# Altium PCB 宠物机器人&导购机器人.PcbDoc (part 2 of 14) (continued)
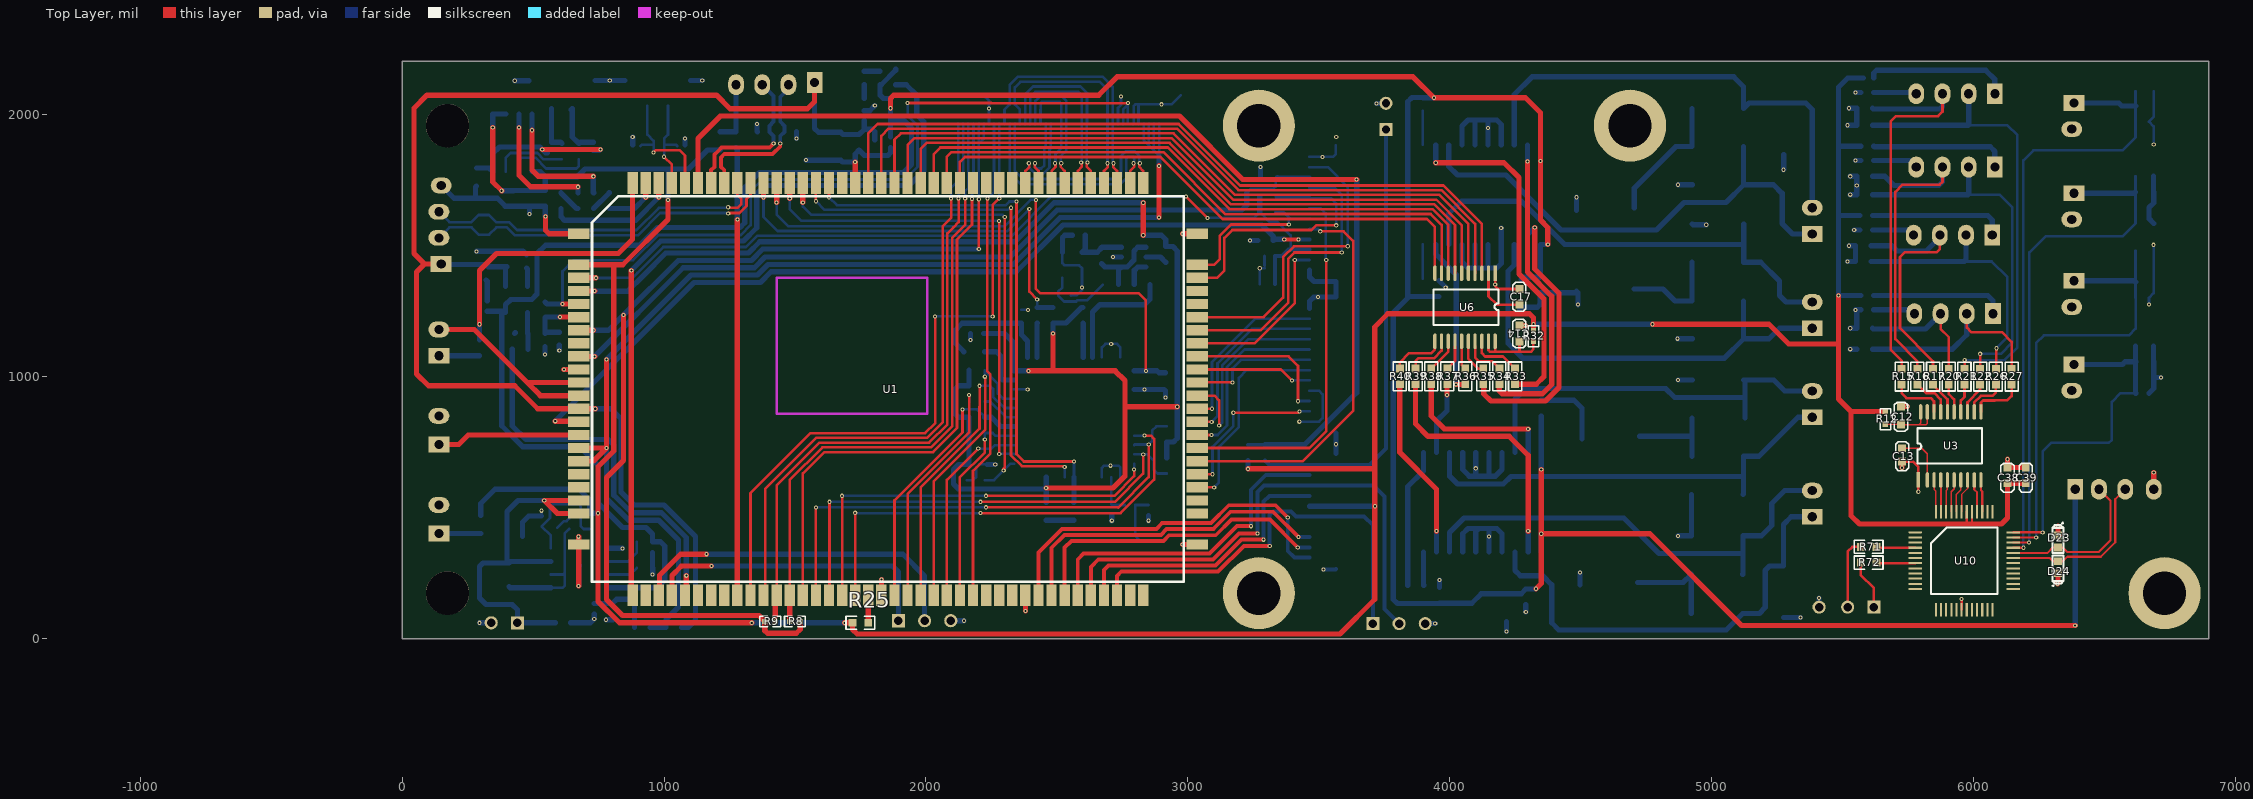
[diagram p0: Top Layer view]
## Free pads (board coordinates) (continued)
1(-1217.75,-384.07) 1(-1217.75,-384.07) 1(-1217.75,-384.07) 1(-1217.74,-383.97) 1(-1217.74,-383.97) 1(-1217.74,-383.97) 1(-1217.74,-383.97) 1(-1217.74,-383.97) 1(-1217.74,-383.97) 1(-1217.74,-383.93) 1(-1217.74,-383.93) 1(-1217.74,-383.93) 1(-1217.74,-383.9) 1(-1217.74,-383.9) 1(-1217.74,-383.9) 1(-1217.74,-383.86) 1(-1217.74,-383.86) 1(-1217.74,-383.86) 1(-1217.74,-383.86) 1(-1217.74,-383.86) 1(-1217.74,-383.86) 1(-1217.73,-383.32) 1(-1217.73,-383.32) 1(-1217.73,-383.32) 1(-1217.73,-383.32) 1(-1217.73,-383.32) 1(-1217.73,-383.32) 1(-1217.73,-383.28) 1(-1217.73,-383.28) 1(-1217.73,-383.28) 1(-1217.73,-383.25) 1(-1217.73,-383.25) 1(-1217.73,-383.25) 1(-1217.73,-383.21) 1(-1217.73,-383.21) 1(-1217.73,-383.21) 1(-1217.73,-383.21) 1(-1217.73,-383.21) 1(-1217.73,-383.21) 1(-1217.73,-384.12) 1(-1217.73,-384.12) 1(-1217.73,-384.12) 1(-1217.72,-383.97) 1(-1217.72,-383.97) 1(-1217.72,-383.97) 1(-1217.72,-383.97) 1(-1217.72,-383.97) 1(-1217.72,-383.97) 1(-1217.72,-383.93) 1(-1217.72,-383.93) 1(-1217.72,-383.93) 1(-1217.72,-383.9) 1(-1217.72,-383.9) 1(-1217.72,-383.9) 1(-1217.72,-383.86) 1(-1217.72,-383.86) 1(-1217.72,-383.86) 1(-1217.72,-383.86) 1(-1217.72,-383.86) 1(-1217.72,-383.86) 1(-1217.71,-384.65) 1(-1217.71,-384.65) 1(-1217.71,-384.65) 1(-1217.71,-384.65) 1(-1217.71,-384.65) 1(-1217.71,-384.65) 1(-1217.71,-384.61) 1(-1217.71,-384.61) 1(-1217.71,-384.61) 1(-1217.71,-384.58) 1(-1217.71,-384.58) 1(-1217.71,-384.58) 1(-1217.71,-384.54) 1(-1217.71,-384.54) 1(-1217.71,-384.54) 1(-1217.71,-384.54) 1(-1217.71,-384.54) 1(-1217.71,-384.54) 1(-1217.71,-384.53) 1(-1217.71,-384.53) 1(-1217.71,-384.53) 1(-1217.71,-384.53) 1(-1217.71,-384.53) 1(-1217.71,-384.53) 1(-1217.71,-384.49) 1(-1217.71,-384.49) 1(-1217.71,-384.49) 1(-1217.71,-384.46) 1(-1217.71,-384.46) 1(-1217.71,-384.46) 1(-1217.71,-384.42) 1(-1217.71,-384.42) 1(-1217.71,-384.42) 1(-1217.71,-384.42) 1(-1217.71,-384.42) 1(-1217.71,-384.42) 1(-1217.71,-384.41) 1(-1217.71,-384.41) 1(-1217.71,-384.41) 1(-1217.71,-384.41) 1(-1217.71,-384.41) 1(-1217.71,-384.41) 1(-1217.71,-384.37) 1(-1217.71,-384.37) 1(-1217.71,-384.37) 1(-1217.71,-384.34) 1(-1217.71,-384.34) 1(-1217.71,-384.34) 1(-1217.71,-384.3) 1(-1217.71,-384.3) 1(-1217.71,-384.3) 1(-1217.71,-384.3) 1(-1217.71,-384.3) 1(-1217.71,-384.3) 1(-1217.71,-384.29) 1(-1217.71,-384.29) 1(-1217.71,-384.29) 1(-1217.71,-384.29) 1(-1217.71,-384.29) 1(-1217.71,-384.29) 1(-1217.71,-384.25) 1(-1217.71,-384.25) 1(-1217.71,-384.25) 1(-1217.71,-384.22) 1(-1217.71,-384.22) 1(-1217.71,-384.22) 1(-1217.71,-384.18) 1(-1217.71,-384.18) 1(-1217.71,-384.18) 1(-1217.71,-384.18) 1(-1217.71,-384.18) 1(-1217.71,-384.18) 1(-1217.71,-384.82) 1(-1217.71,-384.82) 1(-1217.71,-384.82) 1(-1217.71,-384.82) 1(-1217.71,-384.82) 1(-1217.71,-384.82) 1(-1217.71,-384.78) 1(-1217.71,-384.78) 1(-1217.71,-384.78) 1(-1217.71,-384.75) 1(-1217.71,-384.75) 1(-1217.71,-384.75) 1(-1217.71,-384.71) 1(-1217.71,-384.71) 1(-1217.71,-384.71) 1(-1217.71,-384.71) 1(-1217.71,-384.71) 1(-1217.71,-384.71) 1(-1217.71,-384.65) 1(-1217.71,-384.65) 1(-1217.71,-384.65) 1(-1217.71,-384.65) 1(-1217.71,-384.65) 1(-1217.71,-384.65) 1(-1217.71,-384.61) 1(-1217.71,-384.61) 1(-1217.71,-384.61) 1(-1217.71,-384.58) 1(-1217.71,-384.58) 1(-1217.71,-384.58) 1(-1217.71,-384.54) 1(-1217.71,-384.54) 1(-1217.71,-384.54) 1(-1217.71,-384.54) 1(-1217.71,-384.54) 1(-1217.71,-384.54) 1(-1217.71,-384.53) 1(-1217.71,-384.53) 1(-1217.71,-384.53) 1(-1217.71,-384.53) 1(-1217.71,-384.53) 1(-1217.71,-384.53) 1(-1217.71,-384.49) 1(-1217.71,-384.49) 1(-1217.71,-384.49) 1(-1217.71,-384.46) 1(-1217.71,-384.46) 1(-1217.71,-384.46) 1(-1217.71,-384.42) 1(-1217.71,-384.42) 1(-1217.71,-384.42) 1(-1217.71,-384.42) 1(-1217.71,-384.42) 1(-1217.71,-384.42) 1(-1217.71,-384.41) 1(-1217.71,-384.41) 1(-1217.71,-384.41) 1(-1217.71,-384.41) 1(-1217.71,-384.41) 1(-1217.71,-384.41) 1(-1217.71,-384.37) 1(-1217.71,-384.37) 1(-1217.71,-384.37) 1(-1217.71,-384.34) 1(-1217.71,-384.34) 1(-1217.71,-384.34) 1(-1217.71,-384.3) 1(-1217.71,-384.3) 1(-1217.71,-384.3) 1(-1217.71,-384.3) 1(-1217.71,-384.3) 1(-1217.71,-384.3) 1(-1217.71,-384.29) 1(-1217.71,-384.29) 1(-1217.71,-384.29) 1(-1217.71,-384.29) 1(-1217.71,-384.29) 1(-1217.71,-384.29) 1(-1217.71,-384.25) 1(-1217.71,-384.25) 1(-1217.71,-384.25) 1(-1217.71,-384.22) 1(-1217.71,-384.22) 1(-1217.71,-384.22) 1(-1217.71,-384.18) 1(-1217.71,-384.18) 1(-1217.71,-384.18) 1(-1217.71,-384.18) 1(-1217.71,-384.18) 1(-1217.71,-384.18) 1(-1217.7,-384.82) 1(-1217.7,-384.82) 1(-1217.7,-384.82) 1(-1217.7,-384.82) 1(-1217.7,-384.82) 1(-1217.7,-384.82) 1(-1217.7,-384.78) 1(-1217.7,-384.78) 1(-1217.7,-384.78) 1(-1217.7,-384.75) 1(-1217.7,-384.75) 1(-1217.7,-384.75) 1(-1217.7,-384.71) 1(-1217.7,-384.71) 1(-1217.7,-384.71) 1(-1217.7,-384.71) 1(-1217.7,-384.71) 1(-1217.7,-384.71) 1(-1217.69,-384.03) 1(-1217.69,-384.03) 1(-1217.69,-384.03) 1(-1217.69,-384.03) 1(-1217.69,-384.03) 1(-1217.69,-384.03) 1(-1217.68,-383.32) 1(-1217.68,-383.32) 1(-1217.68,-383.32) 1(-1217.68,-383.32) 1(-1217.68,-383.32) 1(-1217.68,-383.32) 1(-1217.68,-383.28) 1(-1217.68,-383.28) 1(-1217.68,-383.28) 1(-1217.68,-383.25) 1(-1217.68,-383.25) 1(-1217.68,-383.25) 1(-1217.68,-383.21) 1(-1217.68,-383.21) 1(-1217.68,-383.21) 1(-1217.68,-383.21) 1(-1217.68,-383.21) 1(-1217.68,-383.21) 1(-1217.67,-383.97) 1(-1217.67,-383.97) 1(-1217.67,-383.97) 1(-1217.67,-383.97) 1(-1217.67,-383.97) 1(-1217.67,-383.97) 1(-1217.67,-383.93) 1(-1217.67,-383.93) 1(-1217.67,-383.93) 1(-1217.67,-383.9) 1(-1217.67,-383.9) 1(-1217.67,-383.9) 1(-1217.67,-383.86) 1(-1217.67,-383.86) 1(-1217.67,-383.86) 1(-1217.67,-383.86) 1(-1217.67,-383.86) 1(-1217.67,-383.86) 1(-1217.66,-384.65) 1(-1217.66,-384.65) 1(-1217.66,-384.65) 1(-1217.66,-384.65) 1(-1217.66,-384.65) 1(-1217.66,-384.65) 1(-1217.66,-384.61) 1(-1217.66,-384.61) 1(-1217.66,-384.61) 1(-1217.66,-384.58) 1(-1217.66,-384.58) 1(-1217.66,-384.58) 1(-1217.66,-384.54) 1(-1217.66,-384.54) 1(-1217.66,-384.54) 1(-1217.66,-384.54) 1(-1217.66,-384.54) 1(-1217.66,-384.54) 1(-1217.66,-384.53) 1(-1217.66,-384.53) 1(-1217.66,-384.53) 1(-1217.66,-384.53) 1(-1217.66,-384.53) 1(-1217.66,-384.53) 1(-1217.66,-384.49) 1(-1217.66,-384.49) 1(-1217.66,-384.49) 1(-1217.66,-384.46) 1(-1217.66,-384.46) 1(-1217.66,-384.46) 1(-1217.66,-384.42) 1(-1217.66,-384.42) 1(-1217.66,-384.42) 1(-1217.66,-384.42) 1(-1217.66,-384.42) 1(-1217.66,-384.42) 1(-1217.66,-384.41) 1(-1217.66,-384.41) 1(-1217.66,-384.41) 1(-1217.66,-384.41) 1(-1217.66,-384.41) 1(-1217.66,-384.41) 1(-1217.66,-384.37) 1(-1217.66,-384.37) 1(-1217.66,-384.37) 1(-1217.66,-384.34) 1(-1217.66,-384.34) 1(-1217.66,-384.34) 1(-1217.66,-384.3) 1(-1217.66,-384.3) 1(-1217.66,-384.3) 1(-1217.66,-384.3) 1(-1217.66,-384.3) 1(-1217.66,-384.3) 1(-1217.66,-384.29) 1(-1217.66,-384.29) 1(-1217.66,-384.29) 1(-1217.66,-384.29) 1(-1217.66,-384.29) 1(-1217.66,-384.29) 1(-1217.66,-384.25) 1(-1217.66,-384.25) 1(-1217.66,-384.25) 1(-1217.66,-384.22) 1(-1217.66,-384.22) 1(-1217.66,-384.22) 1(-1217.66,-384.18) 1(-1217.66,-384.18) 1(-1217.66,-384.18) 1(-1217.66,-384.18) 1(-1217.66,-384.18) 1(-1217.66,-384.18) 1(-1217.65,-384.65) 1(-1217.65,-384.65) 1(-1217.65,-384.65) 1(-1217.65,-384.65) 1(-1217.65,-384.65) 1(-1217.65,-384.65) 1(-1217.65,-384.61) 1(-1217.65,-384.61) 1(-1217.65,-384.61) 1(-1217.65,-384.58) 1(-1217.65,-384.58) 1(-1217.65,-384.58) 1(-1217.65,-384.54) 1(-1217.65,-384.54) 1(-1217.65,-384.54) 1(-1217.65,-384.54) 1(-1217.65,-384.54) 1(-1217.65,-384.54) 1(-1217.65,-384.82) 1(-1217.65,-384.82) 1(-1217.65,-384.82) 1(-1217.65,-384.82) 1(-1217.65,-384.82) 1(-1217.65,-384.82) 1(-1217.65,-384.78) 1(-1217.65,-384.78) 1(-1217.65,-384.78) 1(-1217.65,-384.75) 1(-1217.65,-384.75) 1(-1217.65,-384.75) 1(-1217.65,-384.71) 1(-1217.65,-384.71) 1(-1217.65,-384.71) 1(-1217.65,-384.71) 1(-1217.65,-384.71) 1(-1217.65,-384.71) 1(-1217.65,-384.12) 1(-1217.65,-384.12) 1(-1217.65,-384.12) 1(-1217.63,-383.56) 1(-1217.63,-383.56) 1(-1217.63,-383.56) 1(-1217.63,-383.56) 1(-1217.63,-383.56) 1(-1217.63,-383.56) 1(-1217.63,-383.54) 1(-1217.63,-383.54) 1(-1217.63,-383.54) 1(-1217.63,-383.54) 1(-1217.63,-383.54) 1(-1217.63,-383.54) 1(-1217.63,-384.12) 1(-1217.63,-384.12) 1(-1217.63,-384.12) 1(-1217.63,-384.12) 1(-1217.63,-384.12) 1(-1217.63,-384.12) 1(-1217.63,-384.07) 1(-1217.63,-384.07) 1(-1217.63,-384.07) 1(-1217.63,-383.57) 1(-1217.63,-383.57) 1(-1217.63,-383.57) 1(-1217.62,-383.57) 1(-1217.62,-383.57) 1(-1217.62,-383.57) 1(-1217.62,-383.57) 1(-1217.62,-383.57) 1(-1217.62,-383.57) 1(-1217.62,-383.53) 1(-1217.62,-383.53) 1(-1217.62,-383.53) 1(-1217.62,-383.53) 1(-1217.62,-383.53) 1(-1217.62,-383.53) 1(-1217.62,-383.53) 1(-1217.62,-383.53) 1(-1217.62,-383.53) 1(-1217.62,-384.08) 1(-1217.62,-384.08) 1(-1217.62,-384.08) 1(-1217.62,-384.03) 1(-1217.62,-384.03) 1(-1217.62,-384.03) 1(-1217.62,-384.03) 1(-1217.62,-384.03) 1(-1217.62,-384.03) 1(-1217.6,-384.65) 1(-1217.6,-384.65) 1(-1217.6,-384.65) 1(-1217.6,-384.65) 1(-1217.6,-384.65) 1(-1217.6,-384.65) 1(-1217.6,-384.61) 1(-1217.6,-384.61) 1(-1217.6,-384.61) 1(-1217.6,-384.58) 1(-1217.6,-384.58) 1(-1217.6,-384.58) 1(-1217.6,-384.54) 1(-1217.6,-384.54) 1(-1217.6,-384.54) 1(-1217.6,-384.54) 1(-1217.6,-384.54) 1(-1217.6,-384.54) 1(-1217.6,-384.03) 1(-1217.6,-384.03) 1(-1217.6,-384.03) 1(-1217.59,-383.34) 1(-1217.59,-383.34) 1(-1217.59,-383.34) 1(-1217.59,-383.34) 1(-1217.59,-383.34) 1(-1217.59,-383.34) 1(-1217.59,-383.3) 1(-1217.59,-383.3) 1(-1217.59,-383.3) 1(-1217.59,-383.27) 1(-1217.59,-383.27) 1(-1217.59,-383.27) 1(-1217.59,-383.23) 1(-1217.59,-383.23) 1(-1217.59,-383.23) 1(-1217.59,-383.23) 1(-1217.59,-383.23) 1(-1217.59,-383.23) 1(-1217.56,-384.12) 1(-1217.56,-384.12) 1(-1217.56,-384.12) 1(-1217.56,-384.75) 1(-1217.56,-384.75) 1(-1217.56,-384.75) 1(-1217.56,-384.75) 1(-1217.56,-384.75) 1(-1217.56,-384.75) 1(-1217.56,-384.7) 1(-1217.56,-384.7) 1(-1217.56,-384.7) 1(-1217.56,-384.7) 1(-1217.56,-384.7) 1(-1217.56,-384.7) 1(-1217.56,-384.69) 1(-1217.56,-384.69) 1(-1217.56,-384.69) 1(-1217.56,-384.69) 1(-1217.56,-384.69) 1(-1217.56,-384.69) 1(-1217.56,-384.64) 1(-1217.56,-384.64) 1(-1217.56,-384.64) 1(-1217.56,-384.64) 1(-1217.56,-384.64) 1(-1217.56,-384.64) 1(-1217.56,-384.55) 1(-1217.56,-384.55) 1(-1217.56,-384.55) 1(-1217.56,-384.55) 1(-1217.56,-384.55) 1(-1217.56,-384.55) 1(-1217.56,-384.5) 1(-1217.56,-384.5) 1(-1217.56,-384.5) 1(-1217.56,-384.5) 1(-1217.56,-384.5) 1(-1217.56,-384.5) 1(-1217.56,-384.49) 1(-1217.56,-384.49) 1(-1217.56,-384.49) 1(-1217.56,-384.49) 1(-1217.56,-384.49) 1(-1217.56,-384.49) 1(-1217.56,-384.44) 1(-1217.56,-384.44) 1(-1217.56,-384.44) 1(-1217.56,-384.44) 1(-1217.56,-384.44) 1(-1217.56,-384.44) 1(-1217.56,-384.43) 1(-1217.56,-384.43) 1(-1217.56,-384.43) 1(-1217.56,-384.43) 1(-1217.56,-384.43) 1(-1217.56,-384.43) 1(-1217.56,-384.38) 1(-1217.56,-384.38) 1(-1217.56,-384.38) 1(-1217.56,-384.38) 1(-1217.56,-384.38) 1(-1217.56,-384.38) 1(-1217.56,-384.38) 1(-1217.56,-384.38) 1(-1217.56,-384.38) 1(-1217.56,-384.38) 1(-1217.56,-384.38) 1(-1217.56,-384.38) 1(-1217.56,-384.33) 1(-1217.56,-384.33) 1(-1217.56,-384.33) 1(-1217.56,-384.33) 1(-1217.56,-384.33) 1(-1217.56,-384.33) 1(-1217.56,-384.32) 1(-1217.56,-384.32) 1(-1217.56,-384.32) 1(-1217.56,-384.32) 1(-1217.56,-384.32) 1(-1217.56,-384.32) 1(-1217.56,-384.27) 1(-1217.56,-384.27) 1(-1217.56,-384.27) 1(-1217.56,-384.27) 1(-1217.56,-384.27) 1(-1217.56,-384.27) 1(-1217.56,-384.12) 1(-1217.56,-384.12) 1(-1217.56,-384.12) 1(-1217.54,-383.34) 1(-1217.54,-383.34) 1(-1217.54,-383.34) 1(-1217.54,-383.34) 1(-1217.54,-383.34) 1(-1217.54,-383.34) 1(-1217.54,-383.3) 1(-1217.54,-383.3) 1(-1217.54,-383.3) 1(-1217.54,-383.27) 1(-1217.54,-383.27) 1(-1217.54,-383.27) 1(-1217.54,-383.23) 1(-1217.54,-383.23) 1(-1217.54,-383.23) 1(-1217.54,-383.23) 1(-1217.54,-383.23) 1(-1217.54,-383.23) 1(-1217.53,-383.57) 1(-1217.53,-383.57) 1(-1217.53,-383.57) 1(-1217.53,-383.57) 1(-1217.53,-383.57) 1(-1217.53,-383.57) 1(-1217.53,-383.53) 1(-1217.53,-383.53) 1(-1217.53,-383.53) 1(-1217.53,-383.53) 1(-1217.53,-383.53) 1(-1217.53,-383.53) 1(-1217.52,-384.03) 1(-1217.52,-384.03) 1(-1217.52,-384.03) 1(-1217.52,-384.75) 1(-1217.52,-384.75) 1(-1217.52,-384.75) 1(-1217.52,-384.7) 1(-1217.52,-384.7) 1(-1217.52,-384.7) 1(-1217.52,-384.69) 1(-1217.52,-384.69) 1(-1217.52,-384.69) 1(-1217.52,-384.64) 1(-1217.52,-384.64) 1(-1217.52,-384.64) 1(-1217.52,-384.55) 1(-1217.52,-384.55) 1(-1217.52,-384.55) 1(-1217.52,-384.5) 1(-1217.52,-384.5) 1(-1217.52,-384.5) 1(-1217.52,-384.49) 1(-1217.52,-384.49) 1(-1217.52,-384.49) 1(-1217.52,-384.44) 1(-1217.52,-384.44) 1(-1217.52,-384.44) 1(-1217.52,-384.43) 1(-1217.52,-384.43) 1(-1217.52,-384.43) 1(-1217.52,-384.38) 1(-1217.52,-384.38) 1(-1217.52,-384.38) 1(-1217.52,-384.38) 1(-1217.52,-384.38) 1(-1217.52,-384.38) 1(-1217.52,-384.33) 1(-1217.52,-384.33) 1(-1217.52,-384.33) 1(-1217.52,-384.32) 1(-1217.52,-384.32) 1(-1217.52,-384.32) 1(-1217.52,-384.27) 1(-1217.52,-384.27) 1(-1217.52,-384.27) 1(-1217.5,-384.08) 1(-1217.5,-384.08) 1(-1217.5,-384.08) 1(-1217.5,-384.03) 1(-1217.5,-384.03) 1(-1217.5,-384.03) 1(-1217.5,-384.03) 1(-1217.5,-384.03) 1(-1217.5,-384.03) 1(-1217.49,-384.08) 1(-1217.49,-384.08) 1(-1217.49,-384.08) 1(-1217.49,-384.03) 1(-1217.49,-384.03) 1(-1217.49,-384.03) 1(-1217.49,-384.03) 1(-1217.49,-384.03) 1(-1217.49,-384.03) 1(-1217.49,-384.75) 1(-1217.49,-384.75) 1(-1217.49,-384.75) 1(-1217.49,-384.7) 1(-1217.49,-384.7) 1(-1217.49,-384.7) 1(-1217.49,-384.69) 1(-1217.49,-384.69) 1(-1217.49,-384.69) 1(-1217.49,-384.64) 1(-1217.49,-384.64) 1(-1217.49,-384.64) 1(-1217.49,-384.55) 1(-1217.49,-384.55) 1(-1217.49,-384.55) 1(-1217.49,-384.5) 1(-1217.49,-384.5) 1(-1217.49,-384.5) 1(-1217.49,-384.49) 1(-1217.49,-384.49) 1(-1217.49,-384.49) 1(-1217.49,-384.44) 1(-1217.49,-384.44) 1(-1217.49,-384.44) 1(-1217.49,-384.43) 1(-1217.49,-384.43) 1(-1217.49,-384.43) 1(-1217.49,-384.38) 1(-1217.49,-384.38) 1(-1217.49,-384.38) 1(-1217.49,-384.38) 1(-1217.49,-384.38) 1(-1217.49,-384.38) 1(-1217.49,-384.33) 1(-1217.49,-384.33) 1(-1217.49,-384.33) 1(-1217.49,-384.32) 1(-1217.49,-384.32) 1(-1217.49,-384.32) 1(-1217.49,-384.27) 1(-1217.49,-384.27) 1(-1217.49,-384.27) 1(-1217.47,-383.59) 1(-1217.47,-383.59) 1(-1217.47,-383.59) 1(-1217.47,-383.59) 1(-1217.47,-383.59) 1(-1217.47,-383.59) 1(-1217.47,-383.54) 1(-1217.47,-383.54) 1(-1217.47,-383.54) 1(-1217.47,-383.54) 1(-1217.47,-383.54) 1(-1217.47,-383.54) 1(-1217.47,-384.03) 1(-1217.47,-384.03) 1(-1217.47,-384.03) 1(-1217.45,-384.75) 1(-1217.45,-384.75) 1(-1217.45,-384.75) 1(-1217.45,-384.75) 1(-1217.45,-384.75) 1(-1217.45,-384.75) 1(-1217.45,-384.7) 1(-1217.45,-384.7) 1(-1217.45,-384.7) 1(-1217.45,-384.7) 1(-1217.45,-384.7) 1(-1217.45,-384.7) 1(-1217.45,-384.69) 1(-1217.45,-384.69) 1(-1217.45,-384.69) 1(-1217.45,-384.69) 1(-1217.45,-384.69) 1(-1217.45,-384.69) 1(-1217.45,-384.64) 1(-1217.45,-384.64) 1(-1217.45,-384.64) 1(-1217.45,-384.64) 1(-1217.45,-384.64) 1(-1217.45,-384.64) 1(-1217.45,-384.55) 1(-1217.45,-384.55) 1(-1217.45,-384.55) 1(-1217.45,-384.55) 1(-1217.45,-384.55) 1(-1217.45,-384.55) 1(-1217.45,-384.5) 1(-1217.45,-384.5) 1(-1217.45,-384.5) 1(-1217.45,-384.5) 1(-1217.45,-384.5) 1(-1217.45,-384.5) 1(-1217.45,-384.49) 1(-1217.45,-384.49) 1(-1217.45,-384.49) 1(-1217.45,-384.49) 1(-1217.45,-384.49) 1(-1217.45,-384.49) 1(-1217.45,-384.44) 1(-1217.45,-384.44) 1(-1217.45,-384.44) 1(-1217.45,-384.44) 1(-1217.45,-384.44) 1(-1217.45,-384.44) 1(-1217.45,-384.43) 1(-1217.45,-384.43) 1(-1217.45,-384.43) 1(-1217.45,-384.43) 1(-1217.45,-384.43) 1(-1217.45,-384.43) 1(-1217.45,-384.38) 1(-1217.45,-384.38) 1(-1217.45,-384.38) 1(-1217.45,-384.38) 1(-1217.45,-384.38) 1(-1217.45,-384.38) 1(-1217.45,-384.38) 1(-1217.45,-384.38) 1(-1217.45,-384.38) 1(-1217.45,-384.38) 1(-1217.45,-384.38) 1(-1217.45,-384.38) 1(-1217.45,-384.33) 1(-1217.45,-384.33) 1(-1217.45,-384.33) 1(-1217.45,-384.33) 1(-1217.45,-384.33) 1(-1217.45,-384.33) 1(-1217.45,-384.32) 1(-1217.45,-384.32) 1(-1217.45,-384.32) 1(-1217.45,-384.32) 1(-1217.45,-384.32) 1(-1217.45,-384.32) 1(-1217.45,-384.27) 1(-1217.45,-384.27) 1(-1217.45,-384.27) 1(-1217.45,-384.27) 1(-1217.45,-384.27) 1(-1217.45,-384.27) 1(-1217.44,-384.86) 1(-1217.44,-384.86) 1(-1217.44,-384.86) 1(-1217.44,-384.86) 1(-1217.44,-384.86) 1(-1217.44,-384.86) 1(-1217.44,-384.81) 1(-1217.44,-384.81) 1(-1217.44,-384.81) 1(-1217.44,-384.81) 1(-1217.44,-384.81) 1(-1217.44,-384.81) 1(-1217.43,-384.12) 1(-1217.43,-384.12) 1(-1217.43,-384.12) 1(-1217.43,-384.12) 1(-1217.43,-384.12) 1(-1217.43,-384.12) 1(-1217.42,-384.56) 1(-1217.42,-384.56) 1(-1217.42,-384.56) 1(-1217.42,-384.56) 1(-1217.42,-384.56) 1(-1217.42,-384.56) 1(-1217.42,-384.51) 1(-1217.42,-384.51) 1(-1217.42,-384.51) 1(-1217.42,-384.51) 1(-1217.42,-384.51) 1(-1217.42,-384.51) 1(-1217.42,-384.51) 1(-1217.42,-384.51) 1(-1217.42,-384.51) 1(-1217.42,-384.51) 1(-1217.42,-384.51) 1(-1217.42,-384.51) 1(-1217.42,-384.46) 1(-1217.42,-384.46) 1(-1217.42,-384.46) 1(-1217.42,-384.46) 1(-1217.42,-384.46) 1(-1217.42,-384.46) 1(-1217.42,-384.45) 1(-1217.42,-384.45) 1(-1217.42,-384.45) 1(-1217.42,-384.45) 1(-1217.42,-384.45) 1(-1217.42,-384.45) 1(-1217.42,-384.4) 1(-1217.42,-384.4) 1(-1217.42,-384.4) 1(-1217.42,-384.4) 1(-1217.42,-384.4) 1(-1217.42,-384.4) 1(-1217.42,-384.39) 1(-1217.42,-384.39) 1(-1217.42,-384.39) 1(-1217.42,-384.39) 1(-1217.42,-384.39) 1(-1217.42,-384.39) 1(-1217.42,-384.34) 1(-1217.42,-384.34) 1(-1217.42,-384.34) 1(-1217.42,-384.34) 1(-1217.42,-384.34) 1(-1217.42,-384.34) 1(-1217.4,-384.86) 1(-1217.4,-384.86) 1(-1217.4,-384.86) 1(-1217.4,-384.81) 1(-1217.4,-384.81) 1(-1217.4,-384.81) 1(-1217.39,-384.03) 1(-1217.39,-384.03) 1(-1217.39,-384.03) 1(-1217.38,-384.56) 1(-1217.38,-384.56) 1(-1217.38,-384.56) 1(-1217.38,-384.51) 1(-1217.38,-384.51) 1(-1217.38,-384.51) 1(-1217.38,-384.51) 1(-1217.38,-384.51) 1(-1217.38,-384.51) 1(-1217.38,-384.46) 1(-1217.38,-384.46) 1(-1217.38,-384.46) 1(-1217.38,-384.45) 1(-1217.38,-384.45) 1(-1217.38,-384.45) 1(-1217.38,-384.4) 1(-1217.38,-384.4) 1(-1217.38,-384.4) 1(-1217.38,-384.39) 1(-1217.38,-384.39) 1(-1217.38,-384.39) 1(-1217.38,-384.34) 1(-1217.38,-384.34) 1(-1217.38,-384.34) 1(-1217.38,-383.59) 1(-1217.38,-383.59) 1(-1217.38,-383.59) 1(-1217.38,-383.59) 1(-1217.38,-383.59) 1(-1217.38,-383.59) 1(-1217.38,-383.59) 1(-1217.38,-383.59) 1(-1217.38,-383.59) 1(-1217.38,-383.55) 1(-1217.38,-383.55) 1(-1217.38,-383.55) 1(-1217.38,-383.54) 1(-1217.38,-383.54) 1(-1217.38,-383.54) 1(-1217.38,-383.55) 1(-1217.38,-383.55) 1(-1217.38,-383.55) 1(-1217.37,-384.08) 1(-1217.37,-384.08) 1(-1217.37,-384.08) 1(-1217.37,-384.03) 1(-1217.37,-384.03) 1(-1217.37,-384.03) 1(-1217.37,-384.03) 1(-1217.37,-384.03) 1(-1217.37,-384.03) 1(-1217.37,-384.86) 1(-1217.37,-384.86) 1(-1217.37,-384.86) 1(-1217.37,-384.81) 1(-1217.37,-384.81) 1(-1217.37,-384.81) 1(-1217.37,-383.58) 1(-1217.37,-383.58) 1(-1217.37,-383.58) 1(-1217.37,-383.58) 1(-1217.37,-383.58) 1(-1217.37,-383.58) 1(-1217.37,-383.55) 1(-1217.37,-383.55) 1(-1217.37,-383.55) 1(-1217.37,-383.55) 1(-1217.37,-383.55) 1(-1217.37,-383.55) 1(-1217.35,-383.34) 1(-1217.35,-383.34) 1(-1217.35,-383.34) 1(-1217.35,-383.34) 1(-1217.35,-383.34) 1(-1217.35,-383.34) 1(-1217.35,-383.3) 1(-1217.35,-383.3) 1(-1217.35,-383.3) 1(-1217.35,-383.27) 1(-1217.35,-383.27) 1(-1217.35,-383.27) 1(-1217.35,-383.23) 1(-1217.35,-383.23) 1(-1217.35,-383.23) 1(-1217.35,-383.23) 1(-1217.35,-383.23) 1(-1217.35,-383.23) 1(-1217.35,-384.56) 1(-1217.35,-384.56) 1(-1217.35,-384.56) 1(-1217.35,-384.51) 1(-1217.35,-384.51) 1(-1217.35,-384.51) 1(-1217.35,-384.51) 1(-1217.35,-384.51) 1(-1217.35,-384.51) 1(-1217.35,-384.46) 1(-1217.35,-384.46) 1(-1217.35,-384.46) 1(-1217.35,-384.45) 1(-1217.35,-384.45) 1(-1217.35,-384.45) 1(-1217.35,-384.4) 1(-1217.35,-384.4) 1(-1217.35,-384.4) 1(-1217.35,-384.39) 1(-1217.35,-384.39) 1(-1217.35,-384.39) 1(-1217.35,-384.34) 1(-1217.35,-384.34) 1(-1217.35,-384.34) 1(-1217.33,-384.86) 1(-1217.33,-384.86) 1(-1217.33,-384.86) 1(-1217.33,-384.86) 1(-1217.33,-384.86) 1(-1217.33,-384.86) 1(-1217.33,-384.81) 1(-1217.33,-384.81) 1(-1217.33,-384.81) 1(-1217.33,-384.81) 1(-1217.33,-384.81) 1(-1217.33,-384.81) 1(-1217.31,-384.56) 1(-1217.31,-384.56) 1(-1217.31,-384.56) 1(-1217.31,-384.56) 1(-1217.31,-384.56) 1(-1217.31,-384.56) 1(-1217.31,-384.51) 1(-1217.31,-384.51) 1(-1217.31,-384.51) 1(-1217.31,-384.51) 1(-1217.31,-384.51) 1(-1217.31,-384.51) 1(-1217.31,-384.51) 1(-1217.31,-384.51) 1(-1217.31,-384.51) 1(-1217.31,-384.51) 1(-1217.31,-384.51) 1(-1217.31,-384.51) 1(-1217.31,-384.46) 1(-1217.31,-384.46) 1(-1217.31,-384.46) 1(-1217.31,-384.46) 1(-1217.31,-384.46) 1(-1217.31,-384.46) 1(-1217.31,-384.45) 1(-1217.31,-384.45) 1(-1217.31,-384.45) 1(-1217.31,-384.45) 1(-1217.31,-384.45) 1(-1217.31,-384.45) 1(-1217.31,-384.4) 1(-1217.31,-384.4) 1(-1217.31,-384.4) 1(-1217.31,-384.4) 1(-1217.31,-384.4) 1(-1217.31,-384.4) 1(-1217.31,-384.39) 1(-1217.31,-384.39) 1(-1217.31,-384.39) 1(-1217.31,-384.39) 1(-1217.31,-384.39) 1(-1217.31,-384.39) 1(-1217.31,-384.34) 1(-1217.31,-384.34) 1(-1217.31,-384.34) 1(-1217.31,-384.34) 1(-1217.31,-384.34) 1(-1217.31,-384.34) 1(-1217.3,-383.34) 1(-1217.3,-383.34) 1(-1217.3,-383.34) 1(-1217.3,-383.34) 1(-1217.3,-383.34) 1(-1217.3,-383.34) 1(-1217.3,-383.3) 1(-1217.3,-383.3) 1(-1217.3,-383.3) 1(-1217.3,-383.27) 1(-1217.3,-383.27) 1(-1217.3,-383.27) 1(-1217.3,-383.23) 1(-1217.3,-383.23) 1(-1217.3,-383.23) 1(-1217.3,-383.23) 1(-1217.3,-383.23) 1(-1217.3,-383.23) 1(-1217.3,-384.86) 1(-1217.3,-384.86) 1(-1217.3,-384.86) 1(-1217.3,-384.86) 1(-1217.3,-384.86) 1(-1217.3,-384.86) 1(-1217.3,-384.81) 1(-1217.3,-384.81) 1(-1217.3,-384.81) 1(-1217.3,-384.81) 1(-1217.3,-384.81) 1(-1217.3,-384.81) 1(-1217.28,-384.56) 1(-1217.28,-384.56) 1(-1217.28,-384.56) 1(-1217.28,-384.56) 1(-1217.28,-384.56) 1(-1217.28,-384.56) 1(-1217.28,-384.51) 1(-1217.28,-384.51) 1(-1217.28,-384.51) 1(-1217.28,-384.51) 1(-1217.28,-384.51) 1(-1217.28,-384.51) 1(-1217.28,-384.51) 1(-1217.28,-384.51) 1(-1217.28,-384.51) 1(-1217.28,-384.51) 1(-1217.28,-384.51) 1(-1217.28,-384.51) 1(-1217.28,-384.46) 1(-1217.28,-384.46) 1(-1217.28,-384.46) 1(-1217.28,-384.46) 1(-1217.28,-384.46) 1(-1217.28,-384.46) 1(-1217.28,-384.45) 1(-1217.28,-384.45) 1(-1217.28,-384.45) 1(-1217.28,-384.45) 1(-1217.28,-384.45) 1(-1217.28,-384.45) 1(-1217.28,-384.4) 1(-1217.28,-384.4) 1(-1217.28,-384.4) 1(-1217.28,-384.4) 1(-1217.28,-384.4) 1(-1217.28,-384.4) 1(-1217.28,-384.39) 1(-1217.28,-384.39) 1(-1217.28,-384.39) 1(-1217.28,-384.39) 1(-1217.28,-384.39) 1(-1217.28,-384.39) 1(-1217.28,-384.34) 1(-1217.28,-384.34) 1(-1217.28,-384.34) 1(-1217.28,-384.34) 1(-1217.28,-384.34) 1(-1217.28,-384.34) 1(-1217.26,-384.86) 1(-1217.26,-384.86) 1(-1217.26,-384.86) 1(-1217.26,-384.81) 1(-1217.26,-384.81) 1(-1217.26,-384.81) 1(-1217.24,-384.56) 1(-1217.24,-384.56) 1(-1217.24,-384.56) 1(-1217.24,-384.51) 1(-1217.24,-384.51) 1(-1217.24,-384.51) 1(-1217.24,-384.51) 1(-1217.24,-384.51) 1(-1217.24,-384.51) 1(-1217.24,-384.46) 1(-1217.24,-384.46) 1(-1217.24,-384.46) 1(-1217.24,-384.45) 1(-1217.24,-384.45) 1(-1217.24,-384.45) 1(-1217.24,-384.4) 1(-1217.24,-384.4) 1(-1217.24,-384.4) 1(-1217.24,-384.39) 1(-1217.24,-384.39) 1(-1217.24,-384.39) 1(-1217.24,-384.34) 1(-1217.24,-384.34) 1(-1217.24,-384.34) 1(-1217.23,-384.86) 1(-1217.23,-384.86) 1(-1217.23,-384.86) 1(-1217.23,-384.81) 1(-1217.23,-384.81) 1(-1217.23,-384.81) 1(-1217.21,-384.56) 1(-1217.21,-384.56) 1(-1217.21,-384.56) 1(-1217.21,-384.51) 1(-1217.21,-384.51) 1(-1217.21,-384.51) 1(-1217.21,-384.51) 1(-1217.21,-384.51) 1(-1217.21,-384.51) 1(-1217.21,-384.46) 1(-1217.21,-384.46) 1(-1217.21,-384.46) 1(-1217.21,-384.45) 1(-1217.21,-384.45) 1(-1217.21,-384.45) 1(-1217.21,-384.4) 1(-1217.21,-384.4) 1(-1217.21,-384.4) 1(-1217.21,-384.39) 1(-1217.21,-384.39) 1(-1217.21,-384.39) 1(-1217.21,-384.34) 1(-1217.21,-384.34) 1(-1217.21,-384.34) 1(-1217.19,-384.86) 1(-1217.19,-384.86) 1(-1217.19,-384.86) 1(-1217.19,-384.86) 1(-1217.19,-384.86) 1(-1217.19,-384.86) 1(-1217.19,-384.81) 1(-1217.19,-384.81) 1(-1217.19,-384.81) 1(-1217.19,-384.81) 1(-1217.19,-384.81) 1(-1217.19,-384.81) 1(-1217.17,-384.56) 1(-1217.17,-384.56) 1(-1217.17,-384.56) 1(-1217.17,-384.56) 1(-1217.17,-384.56) 1(-1217.17,-384.56) 1(-1217.17,-384.51) 1(-1217.17,-384.51) 1(-1217.17,-384.51) 1(-1217.17,-384.51) 1(-1217.17,-384.51) 1(-1217.17,-384.51) 1(-1217.17,-384.51) 1(-1217.17,-384.51) 1(-1217.17,-384.51) 1(-1217.17,-384.51) 1(-1217.17,-384.51) 1(-1217.17,-384.51) 1(-1217.17,-384.46) 1(-1217.17,-384.46) 1(-1217.17,-384.46) 1(-1217.17,-384.46) 1(-1217.17,-384.46) 1(-1217.17,-384.46) 1(-1217.17,-384.45) 1(-1217.17,-384.45) 1(-1217.17,-384.45) 1(-1217.17,-384.45) 1(-1217.17,-384.45) 1(-1217.17,-384.45) 1(-1217.17,-384.4) 1(-1217.17,-384.4) 1(-1217.17,-384.4) 1(-1217.17,-384.4) 1(-1217.17,-384.4) 1(-1217.17,-384.4) 1(-1217.17,-384.39) 1(-1217.17,-384.39) 1(-1217.17,-384.39) 1(-1217.17,-384.39) 1(-1217.17,-384.39) 1(-1217.17,-384.39) 1(-1217.17,-384.34) 1(-1217.17,-384.34) 1(-1217.17,-384.34) 1(-1217.17,-384.34) 1(-1217.17,-384.34) 1(-1217.17,-384.34) 1(-1217.17,-384.86) 1(-1217.17,-384.86) 1(-1217.17,-384.86) 1(-1217.17,-384.86) 1(-1217.17,-384.86) 1(-1217.17,-384.86) 1(-1217.17,-384.81) 1(-1217.17,-384.81) 1(-1217.17,-384.81) 1(-1217.17,-384.81) 1(-1217.17,-384.81) 1(-1217.17,-384.81) 1(-1217.15,-384.56) 1(-1217.15,-384.56) 1(-1217.15,-384.56) 1(-1217.15,-384.56) 1(-1217.15,-384.56) 1(-1217.15,-384.56) 1(-1217.15,-384.51) 1(-1217.15,-384.51) 1(-1217.15,-384.51) 1(-1217.15,-384.51) 1(-1217.15,-384.51) 1(-1217.15,-384.51) 1(-1217.15,-384.51) 1(-1217.15,-384.51) 1(-1217.15,-384.51) 1(-1217.15,-384.51) 1(-1217.15,-384.51) 1(-1217.15,-384.51) 1(-1217.15,-384.46) 1(-1217.15,-384.46) 1(-1217.15,-384.46) 1(-1217.15,-384.46) 1(-1217.15,-384.46) 1(-1217.15,-384.46) 1(-1217.13,-384.86) 1(-1217.13,-384.86) 1(-1217.13,-384.86) 1(-1217.13,-384.81) 1(-1217.13,-384.81) 1(-1217.13,-384.81) 1(-1217.11,-384.56) 1(-1217.11,-384.56) 1(-1217.11,-384.56) 1(-1217.11,-384.51) 1(-1217.11,-384.51) 1(-1217.11,-384.51) 1(-1217.11,-384.51) 1(-1217.11,-384.51) 1(-1217.11,-384.51) 1(-1217.11,-384.46) 1(-1217.11,-384.46) 1(-1217.11,-384.46) 1(-1217.1,-385) 1(-1217.1,-385) 1(-1217.1,-385) 1(-1217.1,-385) 1(-1217.1,-385) 1(-1217.1,-385) 1(-1217.1,-384.96) 1(-1217.1,-384.96) 1(-1217.1,-384.96) 1(-1217.1,-384.93) 1(-1217.1,-384.93) 1(-1217.1,-384.93) 1(-1217.1,-384.89) 1(-1217.1,-384.89) 1(-1217.1,-384.89) 1(-1217.1,-384.89) 1(-1217.1,-384.89) 1(-1217.1,-384.89) 1(-1217.1,-384.86) 1(-1217.1,-384.86) 1(-1217.1,-384.86) 1(-1217.1,-384.81) 1(-1217.1,-384.81) 1(-1217.1,-384.81) 1(-1217.08,-384.56) 1(-1217.08,-384.56) 1(-1217.08,-384.56) 1(-1217.08,-384.51) 1(-1217.08,-384.51) 1(-1217.08,-384.51) 1(-1217.08,-384.51) 1(-1217.08,-384.51) 1(-1217.08,-384.51) 1(-1217.08,-384.46) 1(-1217.08,-384.46) 1(-1217.08,-384.46) 1(-1217.06,-384.86) 1(-1217.06,-384.86) 1(-1217.06,-384.86) 1(-1217.06,-384.86) 1(-1217.06,-384.86) 1(-1217.06,-384.86) 1(-1217.06,-384.81) 1(-1217.06,-384.81) 1(-1217.06,-384.81) 1(-1217.06,-384.81) 1(-1217.06,-384.81) 1(-1217.06,-384.81) 1(-1217.05,-385) 1(-1217.05,-385) 1(-1217.05,-385) 1(-1217.05,-385) 1(-1217.05,-385) 1(-1217.05,-385) 1(-1217.05,-384.96) 1(-1217.05,-384.96) 1(-1217.05,-384.96) 1(-1217.05,-384.93) 1(-1217.05,-384.93) 1(-1217.05,-384.93) 1(-1217.05,-384.89) 1(-1217.05,-384.89) 1(-1217.05,-384.89) 1(-1217.05,-384.89) 1(-1217.05,-384.89) 1(-1217.05,-384.89) 1(-1217.05,-383.64) 1(-1217.05,-383.64) 1(-1217.05,-383.64) 1(-1217.05,-383.63) 1(-1217.05,-383.63) 1(-1217.05,-383.63) 1(-1217.05,-384.71) 1(-1217.05,-384.71) 1(-1217.05,-384.71) 1(-1217.05,-384.71) 1(-1217.05,-384.71) 1(-1217.05,-384.71) 1(-1217.05,-384.66) 1(-1217.05,-384.66) 1(-1217.05,-384.66) 1(-1217.05,-384.66) 1(-1217.05,-384.66) 1(-1217.05,-384.66) 1(-1217.05,-385) 1(-1217.05,-385) 1(-1217.05,-385) 1(-1217.05,-385) 1(-1217.05,-385) 1(-1217.05,-385) 1(-1217.05,-384.96) 1(-1217.05,-384.96) 1(-1217.05,-384.96) 1(-1217.05,-384.93) 1(-1217.05,-384.93) 1(-1217.05,-384.93) 1(-1217.05,-384.89) 1(-1217.05,-384.89) 1(-1217.05,-384.89) 1(-1217.05,-384.89) 1(-1217.05,-384.89) 1(-1217.05,-384.89) 1(-1217.05,-384.86) 1(-1217.05,-384.86) 1(-1217.05,-384.86) 1(-1217.05,-384.86) 1(-1217.05,-384.86) 1(-1217.05,-384.86) 1(-1217.05,-384.81) 1(-1217.05,-384.81)